# Altium PCB WIoT-Shield01.PcbDoc (part 1 of 2) (continued)
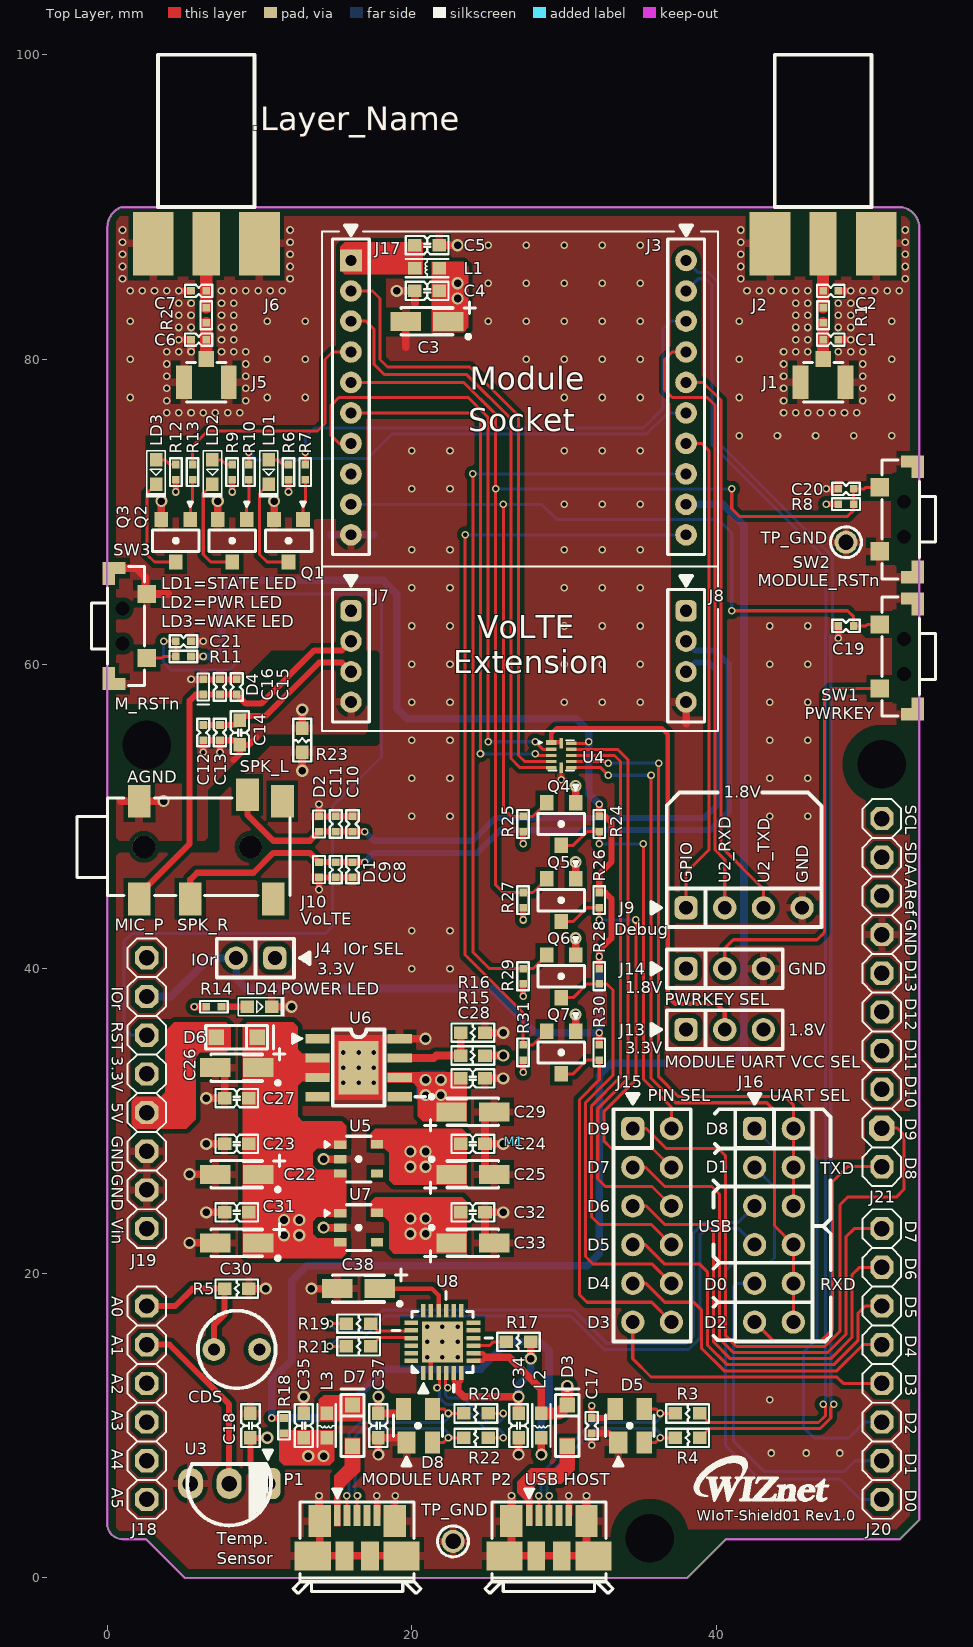
[diagram p0: Top Layer view]
## Footprints (in the part's own frame and the unit in brackets; to place one, negate y for a bottom-side part, rotate by r counter-clockwise, add the part's x,y. Pads: shape width x height; smd on the part's side, far side on the other; paste and mask are expansions set on the pad)
ARDUINOR3_ICSP(4) [mil]
  oct 60x60 hole 40: 3.3V(-1100,0) 5V(-1000,0) \RESET(-1200,0) A0(-500,0) A1(-400,0) A2(-300,0) A3(-200,0) A4(-100,0) A5(0,0) AREF(-1560,1900) D0(0,1900) D1(-100,1900) D2(-200,1900) D3(-300,1900) D4(-400,1900) D5(-500,1900) D6(-600,1900) D7(-700,1900) D8(-860,1900) D10(-1060,1900) D11(-1160,1900) D12(-1260,1900) D13(-1360,1900) GND1(-900,0) GND2(-800,0) GND4(-1460,1900) IOREF(-1300,0) RESERVED(-1400,0) SCL(-1760,1900) SDA(-1660,1900) VIN(-700,0)
  oct 66x66 hole 40: D9(-960,1900)
  rect 47.24x31.5 hole 125.98: ""(-1950,0) ""(-1900,1900) ""(100,1300)
  silkscreen extent -1810,-50 50,1950, body extent -1816,-51 57,1949, height 335
BNC-142-0711-821 [mil]
  rect 70x165 smd: 1(0,-94.49)
  rect 105x165 smd: 2(-137.5,-94.49) 3(137.5,-94.49)
  rect 105x165 smd far side: 2(-137.5,-94.49) 3(137.5,-94.49)
  Top Layer pour cut-out: -80,-9.49 80,-9.49 80,-179.49 -80,-179.49
  Bottom Layer pour cut-out: -80,-9.49 80,-9.49 80,-179.49 -80,-179.49
  silkscreen extent -125,0 125,394, body extent -187,-165 187,842, height 207
BNC-CMJ-S01-501 [mm]
  rect 2.2x1.05 smd: 1(0,1.475) 3(0,-1.475)
  rect 1.05x1 smd: 2(1.525,0)
  silkscreen extent -1.3,-1.3 1.3,1.3
CAP-0402 [mm]
  rect 0.5x0.5 smd: 1(-0.5,0) 2(0.5,0)
  silkscreen extent -0.9,-0.4 0.9,0.4, body extent -0.48,-0.25 0.52,0.25, height 0.6
CAP-0603 [mm] "Ceramic CAP 0603(1608)"
  rect 0.89x0.82 smd: 1(-0.8,0) 2(0.8,0)
  silkscreen extent -1.4,-0.6 1.4,0.6, body extent -0.93,-0.41 0.93,0.41, height 0.81
"CAP-A SIZE" [mm] "Tantal CAP A Size EIA/IECQ 3216"
  rect 2x1.25 smd: 1(-1.4,0) 2(1.4,0)
  silkscreen extent -3.17,-1.27 1.7,1.12, body extent -1.7,-0.8 1.7,0.8, height 1.75
GL55 [mm]
  round 1.5 hole 0.8: 1(-1.5,0) 2(1.5,0)
  silkscreen extent -2.55,-2.55 2.55,2.55
IDC-1X2 [mil]
  rrect50% 60x60 hole 36: 1(0,0)
  round 60 hole 36: 2(100,0)
  silkscreen extent -90,-50 150,50, body extent -49,-49 151,51, height 336
IDC-1X3 [mil]
  rrect50% 60x60 hole 36: 1(0,0)
  round 60 hole 36: 2(100,0) 3(200,0)
  silkscreen extent -90,-50 250,50, body extent -49,-49 251,51, height 336
IDC-1X4 [mil]
  rrect50% 60x60 hole 36: 1(0,0)
  round 60 hole 36: 2(100,0) 3(200,0) 4(300,0)
  silkscreen extent -90,-50 350,50, body extent -49,-49 351,51, height 336
IDC-1X4(2MM) [mil]
  rrect50% 55x55 hole 31.5: 1(0,0)
  round 55 hole 31.5: 2(78.74,0) 3(157.48,0) 4(236.22,0)
  silkscreen extent -90,-47 287,47, body extent -39,-39 276,39, height 217
IDC-2X6 [mil]
  rrect50% 60x60 hole 36: 1(0,0)
  round 60 hole 36: 2(0,100) 3(100,0) 4(100,100) 5(200,0) 6(200,100) 7(300,0) 8(300,100) 9(400,0) 10(400,100) 11(500,0) 12(500,100)
  silkscreen extent -90,-50 550,150, body extent -52,-48 548,152, height 336
IND-0603 [mm] "Inductor 0603(1608)"
  rect 0.89x0.82 smd: 1(-0.8,0) 2(0.8,0)
  Top Layer pour cut-out: -0.254,0.508 -0.254,-0.508 0.254,-0.508 0.254,0.508
  silkscreen extent -1.4,-0.6 1.4,0.6, body extent -0.8,-0.4 0.8,0.4, height 0.95
LED-0603-GREEN [mm] "LED-0603-GREEN"
  rect 0.89x0.82 smd: 1(-0.8,0) 2(0.8,0)
  silkscreen extent -1.41,-0.65 1.65,0.65, body extent -0.85,-0.45 0.85,0.45, height 0.9
LED-0603-RED [mm] "LED-0603-RED"
  rect 0.89x0.82 smd: 1(-0.8,0) 2(0.8,0)
  silkscreen extent -1.41,-0.65 1.65,0.65, body extent -0.85,-0.45 0.85,0.45, height 0.9
LOGO-WIZNET(2) [mm]
  silkscreen extent -2.33,0.05 14.15,5.55
LOGO-WIZNET(SMALL) [mm]
  silkscreen extent -1.27,0 7.52,2.93
NW3-A06 [mm]
  rect 0.1x0.1 hole 0.9 unplated: 0(-1.15,-1) 0(1.15,-1)
  rect 1.2x1.2 smd: 1(-2.1,-2.6) 2(2.1,-2.6)
  rect 0.8x1.5 smd: 3(-3.8,-0.45) 4(3.8,-0.45)
  rect 1.5x0.8 smd: 3(-3.45,-0.1) 4(3.45,-0.1)
  silkscreen extent -3.9,-2.45 3.9,1.05
PJ-3.5-3106 [mm]
  round 1.5 hole 1.5 unplated: 0(0,9.4) 0(0,2.4)
  rect 2.15x1.5 smd: 2(-3,2.1) 3(-3.42,9.2) 4(-3,11.5) 5(3.42,10.9) 6(3.42,5.45) 7(3.42,2.1)
  silkscreen extent -3.2,-2 3.2,12, body extent -4.15,-2 4.15,12, height 4.4
QFN24(0.5/4X4) [mm] "QFN-24 Package with 4x4mm Body and 0.5mm Pitch"
  rect 0.9x0.3 smd: 1(-2.05,1.25) 2(-2.05,0.75) 3(-2.05,0.25) 4(-2.05,-0.25) 5(-2.05,-0.75) 6(-2.05,-1.25) 13(2.05,-1.25) 14(2.05,-0.75) 15(2.05,-0.25) 16(2.05,0.25) 17(2.05,0.75) 18(2.05,1.25)
  rect 0.3x0.9 smd: 7(-1.25,-2.05) 8(-0.75,-2.05) 9(-0.25,-2.05) 10(0.25,-2.05) 11(0.75,-2.05) 12(1.25,-2.05) 19(1.25,2.05) 20(0.75,2.05) 21(0.25,2.05) 22(-0.25,2.05) 23(-0.75,2.05) 24(-1.25,2.05)
  rect 2.7x2.7 smd: 25(0,0)
  silkscreen extent -3.35,-3.3 3.3,3.3, body extent -2,-2 2,2, height 0.9
RES-0402 [mm]
  rect 0.5x0.5 smd: 1(-0.5,0) 2(0.5,0)
  silkscreen extent -0.91,-0.38 0.91,0.38, body extent -0.5,-0.25 0.5,0.25, height 0.35
RES-0603 [mm] "RES-0603"
  rect 0.89x0.82 smd: 1(-0.8,0) 2(0.8,0)
  silkscreen extent -1.4,-0.6 1.4,0.6, body extent -0.82,-0.41 0.82,0.41, height 0.46
SO-08-EP [mm]
  rect 1.6x0.6 smd: 1(-2.7,1.905) 2(-2.7,0.635) 3(-2.7,-0.635) 4(-2.7,-1.905) 5(2.7,-1.905) 6(2.7,-0.635) 7(2.7,0.635) 8(2.7,1.905)
  rect 2.62x3.51 smd: 9(0,0)
  silkscreen extent -4.34,-2.5 4.38,2.5, body extent -3.01,-2.5 3.01,2.5, height 1.75
SOD-323(1-C,2-A) [mm]
  rect 1x1 smd: 1(1.35,0) 2(-1.35,0)
  silkscreen extent -2.03,-0.76 2.4,0.76, body extent -1.35,-0.68 1.35,0.67, height 0.79
SOD-882(TVS) [mm]
  rect 0.5x0.5 smd: 1(-0.5,0) 2(0.5,0)
  silkscreen extent -0.89,-0.4 0.89,0.4, body extent -0.51,-0.31 0.51,0.31, height 0.49
SOD-923(1-C,2-A) [mm]
  rect 0.5x0.5 smd: 1(0.5,0.001) 2(-0.5,0.001)
  silkscreen extent -0.89,-0.38 1.14,0.38, body extent -0.52,-0.32 0.53,0.33, height 0.43
SOT-23-3L [mm]
  rect 0.9x1 smd: 1(-0.95,-1.4) 2(0.95,-1.4) 3(0,1.4)
  silkscreen extent -1.53,-2.55 1.53,0.7, body extent -1.45,-1.4 1.45,1.4, height 1.28
SOT-23-3LL [mm]
  rect 0.9x1 smd: 1(-0.95,-1.4) 2(0,1.4) 3(0.95,-1.4)
  silkscreen extent -1.53,-2.55 1.53,0.7, body extent -1.45,-1.4 1.45,1.4, height 1.28
SOT-25 [mm]
  rect 0.55x0.8 smd: 1(-0.95,-1.2) 2(0,-1.2) 3(0.95,-1.2) 4(0.95,1.2) 5(-0.98,1.2)
  silkscreen extent -1.5,-2.2 1.5,0.8, body extent -1.45,-1.4 1.45,1.4, height 1.45
SOT-143 [mm]
  rect 1.2x1.44 smd: 1(-0.75,-1.1)
  rect 1x1.44 smd: 2(0.95,-1.1) 3(0.95,1.1) 4(-0.95,1.1)
  silkscreen extent -1.6,-2.65 1.6,0.7, body extent -1.46,-1.21 1.46,1.21, height 1
TO-92 [mil]
  rrect50% 65x80 hole 40: 1(-100,0)
  oval 65x80 hole 40: 2(0,0) 3(100,0)
  silkscreen extent -112,-86 108,108, body extent -104,-60 115,94, height 315
TP [mil]
  round 60 hole 40: 1(0,0)
  silkscreen extent -40,-40 40,40, body extent -50,-52 50,52, height 62
UQFN12(0.4/1.7X2) [mm]
  rect 0.69x0.32 smd: 1(-0.655,0.855)
  rect 0.69x0.22 smd: 2(-0.655,0.4) 3(-0.655,0) 4(-0.655,-0.4) 5(-0.655,-0.8) 7(0.655,-0.8) 8(0.655,-0.4) 9(0.655,0) 10(0.655,0.4) 11(0.655,0.8)
  rect 0.22x0.69 smd: 6(0,-0.805) 12(0,0.805)
  silkscreen extent -1.47,-1 0.85,1, body extent -0.85,-1 0.85,1, height 0.75
USB-MOLEX-47346 [mm]
  rect 1.38x0.45 smd: 1(4.11,1.3) 2(4.11,0.65) 3(4.11,0) 4(4.11,-0.65) 5(4.11,-1.3)
  rect 1.9x2.375 smd: 6(1.45,2.913) 7(1.45,-2.913)
  rect 1.9x1.175 smd: 8(1.45,0.837) 9(1.45,-0.837)
  rect 2.1x1.475 smd: 10(3.75,-2.462) 11(3.75,2.462)
  silkscreen extent -1,-4.2 5.85,4.2, body extent -0.88,-4.4 4.72,4.4, height 2.74
XBEE(1) [mil]
  rect 56x56 hole 28: 1(0,0)
  round 56 hole 28: 2(0,-79) 3(0,-157) 4(0,-236.68) 5(0,-315.43) 6(0,-394.17) 7(0,-472.91) 8(0,-551.65) 9(0,-630.39) 10(0,-709.13) 11(866.14,0) 12(866.14,-79) 13(866.14,-157) 14(866.14,-236.68) 15(866.14,-315.43) 16(866.14,-394.17) 17(866.14,-472.91) 18(866.14,-551.65) 19(866.14,-630.39) 20(866.14,-709.13)
  silkscreen extent -47,-760 913,90, body extent -51,-756 916,52, height 157

## Part data
C1 C2 C6 C7 C8 C9 C10 C11 C12 C13 C15 C16 C19 C20 C21: library part CAP-0402, "Ceramic CAP 0402(1005)"
C3: library part CAP, "Electrolytic Capacitors"
C4 C5 C14 C18 C23 C24 C27 C28 C31 C32 C34 C35 C37: library part CAP-0603, "Ceramic CAP 0603(1608)"
C17: library part CAP-0805, "Ceramic CAP 0402"
C22 C25 C26 C29 C30 C33: library part "CAP-A Size", "Tantal CAP A Size EIA/IECQ 3216"
C38: library part "CAP-A Size", "Tantla CAP A Size EIA/IECQ 3216"
CDS: library part CDS
D1 D2: library part PESD5V0S1BL, "Bi-directional TVS diode"
D3 D6 D7: library part DIODE-BAT60A, "Silicon Schottky Diode"
D4: "Uni-directional TVS diode"
D5 D8: "Ultra low capacitance double rail-to-rail ESD protection diode"
J1 J5: library part "U.FL CONNECTOR", "U.FL CONNECTOR"
J3: library part Xbee_pin-header, "Xbee_pin-header, WizFi310, LoRa, LTE CAT M1"
J10: "3-Conductor Jack with 2 break contacts (normals) and 2 auxiliary make contacts"
L1 L2 L3: library part IND-0603, "Inductor 0603(1608)"
LD1 LD2 LD3 LD4: library part LED-0603, "LED-0603"
M1: "Arduino UNO R3"
P1 P2: "MICRO USB B Type"
Q1 Q2 Q3: "NPN General-Purpose Amplifier"
Q4 Q5 Q6 Q7: "N-Channel 60-V (D-S) MOSFET"
R1 R2 R6 R7 R8 R9 R10 R11 R12 R13 R14 R18 R24 R25 R26 R27 R28 R29 R30 R31: library part RES-0402, "RES-0402"
R3 R4 R5 R15 R16 R23: library part RES-0603, "RES0603"
R17 R19 R20 R21 R22: library part RES-0603, "RES-0603"
SW1 SW2 SW3: library part SWITCH-ANGLE_TACT, "Angle TACT SW, SMD"
TP_GND TP_GND: "TEST POINT"
U4: "Level-Shifter"
U5: "3.3V 600mA Regulator/SOT25(Fixed Output)"
U7: library part AP7365-33WG-7, "3.3V 600mA Regulator/SOT25(Fixed Output)"
U8: "USB to UART Bridge, SiliconLabs"

## Via types
v1: diameter 0.5, hole 0.3, Top Layer to Bottom Layer, tented both sides, 306 vias
v2: diameter 0.8, hole 0.5, Top Layer to Bottom Layer, tented both sides, 57 vias

## Nets (pads, with @x,y where several pads share a name; then routed paths per layer and width w, separated by ;. In a path a pad name is that pad's centre, name@x,y a point inside that pad or via, vN(x,y) a via of type N, cw(c..) or ccw(c..) an arc to the next point about the centre after c; other vN are vias at no path point)
1.8V: C32.2 C33.1 J8.1 J13.3 J14.1 Q4.1 Q5.1 Q6.1 Q7.1 R8.2 R25.2 R27.2 R29.2 R31.2 U7.5 | length 8.4
  Top Layer w0.4: v1(27.3,33.2) R31.2@27.3,34 ; v1(27.3,38.2) R29.2@27.3,39 ; v1(27.3,43.2) R27.2@27.3,44 ; v1(27.3,48.2) R25.2@27.3,49 ; v1(47.2,70.5) R8.2@48,70.5
  Top Layer w0.5: Q7.1@30.75,35.9 v2(30.75,37) ; Q6.1@30.75,40.9 v2(30.75,42) ; Q5.1@30.75,45.9 v2(30.75,47) ; Q4.1@30.75,50.9 v2(30.75,52)
  other v2: 19.9,22.6 20.9,22.6 19.9,23.6 20.9,23.6
3.3V: C24.2 C25.1 J4.1 J7.1 J13.1 M1.3.3V R6.2 R9.2 R12.2 R14.1 U5.5 | length 3.2
  Top Layer w0.4: v1(4.5,71.3) R12.2@4.5,72.1 ; v1(8.2,71.3) R9.2@8.2,72.1 ; v1(11.9,71.3) R6.2@11.9,72.1
  Top Layer w0.508: v1(5.7,37.5) R14.1@6.5,37.5
  other v2: 19.9,27 20.9,27 19.9,28 20.9,28
3.8V: C3.1 C4.1 C28.2 C29.1 L1.1 R15.2 U6.6 | length 1.2
  Top Layer w0.5: R15.2@24.8,34.3 v2(26,34.3)
  other v2: 20.9,31.7 21.9,31.7 20.9,32.7 21.9,32.7 23,84 23,85
3.8V_OUT: C5.1 J3.1 L1.2
5V: C17.1 C18.2 C22.1 C23.2 C26.1 C27.2 C30.1 C31.2 C35.2 C37.2 CDS.1 D3.1 D5.4 D6.1 D8.4 L2.1 L3.2 R18.1 U3.1 U5.1 U5.3 U6.2 U6.3 U7.1 U7.3 U8.7 U8.8 | length 21.2
  Top Layer w0.3: U8.7@24.05,14.25 24.65,14.25 24.9,14.5 24.65,14.75 U8.8@24.05,14.75
  Top Layer w0.4: v2(10.5,9.2) C18.2@9.4,9.2 9.4,7.34 U3.1@10.54,6.2 ; v1(31.8,11.3) C17.1@31.8,10.5 32.75,10.5 D5.4@33.35,11.1
  Top Layer w0.5: v2(17.8,11.9) C37.2@17.8,10.8 19.15,10.8 D8.4@19.45,11.1 ; 24.9,14.5 26.4,14.5 28.5,12.4 L2.1@28.5,10.8
  Top Layer w0.8: L2.1@28.5,10.8 29.65,10.8 D3.1@30.2,11.35 v2(30.2,12.6)
  other v2: 13.2,8 14.2,8 11.6,22.5 12.6,22.5 11.6,23.5 12.6,23.5
AGND: C12.1 C13.1 C14.1 J7.4 J10.2 R23.2 | length 10.6
  Top Layer w0.4: v1(6.3,54.2) C12.1@6.3,55 C13.1@7.4,55 ; v1(7.4,54.2) C13.1@7.4,55 ; 8.3,53.7 8.7,54.1 C14.1@8.7,54.7 ; 9.8,55.2 9.3,54.7 C14.1@8.7,54.7 ; C13.1@7.4,55 8.4,55 C14.1@8.7,54.7
  Top Layer w0.5: 0.9,51 J10.2@2.1,51 v2(3.7,51) ; R23.2@12.8,55.8 v2(12.8,57)
AP_READY: J3.20 Q7.2 R31.1 | length 51.5
  Top Layer w0.2: v1(23.5,68.488) 23.5,40.9 27.3,37.1 R31.1@27.3,35 27.95,35 Q7.2@28.85,35.9
  Bottom Layer w0.2: v1(23.5,68.488) J3.20@38,68.488
D_N: D8.3 P1.2 R20.1 | length 14.9
  Top Layer w0.2: v1(15.725,5.4) 15.75,5.375 P1.2@15.75,4.11 ; D8.3@21.35,11.1 22.1,11.1 v1(22.4,10.8) R20.1@23.4,10.8
  Bottom Layer w0.2: v1(15.725,5.4) 15.875,5.55 15.875,9.475 16.6,10.2 22.1,10.2 22.4,10.5 v1(22.4,10.8)
D_P: D8.2 P1.3 R22.1 | length 14.2
  Top Layer w0.2: P1.3@16.4,4.11 16.4,5.375 v1(16.425,5.4) ; D8.2@21.35,8.9 22.1,8.9 v1(22.4,9.2) R22.1@23.4,9.2
  Bottom Layer w0.2: v1(16.425,5.4) 16.275,5.55 16.275,9.309 16.766,9.8 22.1,9.8 22.4,9.5 v1(22.4,9.2)
GND: C1.1 C2.1 C3.2 C4.2 C5.2 C6.1 C7.1 C8.1 C9.1 C10.1 C11.1 C15.1 C16.1 C17.2 C18.1 C19.1 C20.1 C21.1 C22.2 C23.1 C24.1 C25.2 C26.2 C27.1 C28.1 C29.2 C30.2 C31.1 C32.1 C33.2 C34.1 C35.1 C37.1 C38.2 D1.2 D2.2 D4.2 D5.1 D8.1 J1.1 J1.3 J2.2 J2.3 J3.10 J5.1 J5.3 J6.2 J6.3 J8.4 J9.4 J14.3 LD4.2 M1.GND1 M1.GND2 M1.GND4 P1.5 P1.6 P1.7 P1.8 P1.9 P1.10 P1.11 P2.5 P2.6 P2.7 P2.8 P2.9 P2.10 P2.11 Q1.3 Q2.3 Q3.3 R5.1 R16.1 R23.1 SW1.3 SW1.4 SW2.2 SW2.3 SW2.4 SW3.2 SW3.3 SW3.4 TP_GND.1 U3.3 U4.6 U5.2 U6.8 U6.9 U7.2 U8.2 U8.25 | length 108.2
  Top Layer w0.2: v1(29.8,52.4) U4.6@29.8,53.195
  Top Layer w0.3: P1.5@17.7,4.11 v1(17.7,5.4) ; P1.10@18.862,3.75 18.9,3.788 v1(18.9,5.4) ; U8.2@21.25,13.45 21.25,14.75 v1(22,15.5) ; P2.5@30.3,4.11 v1(30.3,5.4)
  Top Layer w0.4: v1(4.7,81.3) C6.1@5.5,81.3 ; v1(4.7,84.5) C7.1@5.5,84.5 ; v1(5.5,59) D4.2@6.301,59 C16.1@7.4,59 C15.1@8.5,59 ; C21.1@5.5,61.5 v1(6.3,61.5) ; v1(13.9,45.2) D1.2@13.9,46 C9.1@15,46 C8.1@16.1,46 ; v1(13.9,50.8) D2.2@13.9,50 C10.1@16.1,50 ; v1(31.8,8.7) C17.2@31.8,9.5 32.95,9.5 D5.1@33.55,8.9 ; v1(47.2,71.5) C20.1@48,71.5 ; v1(48,61.7) C19.1@48,62.5 ; C1.1@48,81.3 v1(48.8,81.3) ; C2.1@48,84.5 v1(48.8,84.5)
  Top Layer w0.5: SW3.4@0.45,66.3 1.9,66.3 2.5,65.7 2.5,64.6 SW3.2@2.6,64.6 4,64.6 ; Q3.3@3.55,69.5 v2(3.55,70.7) ; v2(5.4,22) C30.2@7.1,22 ; v2(5.4,26.5) C22.2@7.1,26.5 ; v1(5.5,80.5) C6.1@5.5,81.3 ; v2(6.5,24) C31.1@7.7,24 ; v2(6.5,28.5) C23.1@7.7,28.5 ; v2(6.5,31.5) C27.1@7.7,31.5 7.7,33.5 C26.2@7.1,33.5 ; Q2.3@7.25,69.5 v2(7.25,70.7) ; R5.1@9.3,19 v2(10.4,19) ; LD4.2@10.8,37.5 v2(12.1,37.5) ; Q1.3@10.95,69.5 v2(10.95,70.7) ; v2(12.8,53) R23.1@12.8,54.2 ; C35.1@12.9,10.8 v2(12.9,11.9) ; v2(13.4,19) C38.2@15.1,19 ; v1(13.9,5.4) 13.9,3.988 13.938,3.95 P1.11@13.938,3.75 13.938,1.9 P1.6@13.487,1.45 P1.8@15.563,1.45 P1.9@17.237,1.45 P1.7@19.163,1.45 ; v2(14.2,23) U7.2@15.3,23 ; v2(14.2,27.5) U5.2@15.3,27.5 ; v1(16.5,33.5) v1(17.5,34.5) 17.5,34.9 18.005,35.405 U6.8@19.2,35.405 v2(20.895,35.405) ; v2(17.8,8.1) C37.1@17.8,9.2 19.35,9.2 D8.1@19.65,8.9 ; C3.2@19,82.5 C3.2@19.6,82.5 19.6,80.8 ; v2(19,84.5) C4.2@20.2,84.5 20.2,83.7 ; C5.2@21.8,87.5 v2(23,87.5) ; C28.1@24.8,32.8 v2(26,32.8) ; R16.1@24.8,35.8 v2(26,35.8) ; C33.2@25.4,22 24.8,22 C32.1@24.8,24 v2(26,24) ; C25.2@25.4,26.5 24.8,26.5 C24.1@24.8,28.5 ; C29.2@25.4,30.6 24.8,30.6 C24.1@24.8,28.5 ; v2(26,28.5) C24.1@24.8,28.5 ; v1(26.538,5.4) P2.11@26.538,3.75 26.538,1.9 P2.6@26.087,1.45 P2.8@28.163,1.45 P2.9@29.837,1.45 P2.7@31.913,1.45 31.462,1.9 P2.10@31.462,3.75 v1(31.462,5.4) ; v2(27,8.1) C34.1@27,9.2 ; 38,56.1 J8.4@38,57.5
  Bottom Layer w0.5: 14.688,68.488 J3.10@16,68.488 17.488,68.488
  other v1: 43.6,8.2 45.9,8.2 48.1,8.2 43.5,11.7 21,14.5 22,14.5 23,14.5 21,15.5 23,15.5 21,16.5 22,16.5 23,16.5 15.5,32.5 16.5,32.5 17.5,32.5 15.5,33.5 17.5,33.5 15.5,34.5 16.5,34.5 20,40 22.5,40 20,42.5 22.5,42.5 20,50 22.5,50 43.5,50 46,50 20,52.5 22.5,52.5 43.5,52.5 46,52.5 20,55 22.5,55 43.5,55 46,55 20,57.5 22.5,57.5 30,57.5 32.5,57.5 35,57.5 43.5,57.5 46,57.5 20,60 22.5,60 30,60 32.5,60 35,60 43.5,60 46,60 20,62.5 22.5,62.5 30,62.5 32.5,62.5 35,62.5 43.5,62.5 46,62.5 20,65 22.5,65 30,65 32.5,65 35,65 20,67.5 22.5,67.5 30,67.5 32.5,67.5 35,67.5 30,70.5 32.5,70.5 35,70.5 20,71.5 22.5,71.5 20,74 22.5,74 30,74 32.5,74 35,74 41.5,75 44,75 46.5,75 49,75 51.5,75 3.9,76.5 4.7,76.5 5.5,76.5 6.3,76.5 7.1,76.5 7.9,76.5 8.7,76.5 44.4,76.5 45.2,76.5 46,76.5 46.8,76.5 47.6,76.5 48.4,76.5 49.2,76.5 3.9,77.3 9.1,77.3 44.4,77.3 49.6,77.3 1.5,77.5 10.5,77.5 13,77.5 30,77.5 32.5,77.5 35,77.5 41.5,77.5 51.5,77.5 3.9,78.1 9.1,78.1 44.4,78.1 49.6,78.1 3.9,78.9 9.1,78.9 44.4,78.9 49.6,78.9 3.9,79.7 9.1,79.7 44.4,79.7 49.6,79.7 1.5,80 10.5,80 13,80 27.5,80 30,80 32.5,80 35,80 41.5,80 51.5,80 3.9,80.5 4.7,80.5 7.5,80.5 8.3,80.5 9.1,80.5 44.4,80.5 45.2,80.5 46,80.5 48,80.5 48.8,80.5 49.6,80.5 7.5,81.3 8.3,81.3 45.2,81.3 46,81.3 4.7,82.1 5.5,82.1 7.5,82.1 8.3,82.1 45.2,82.1 46,82.1 48,82.1 48.8,82.1 1.5,82.5 10.5,82.5 13,82.5 25,82.5 27.5,82.5 30,82.5 32.5,82.5 35,82.5 41.5,82.5 51.5,82.5 4.7,82.9 5.5,82.9 7.5,82.9 8.3,82.9 45.2,82.9 46,82.9 48,82.9 48.8,82.9 4.7,83.7 5.5,83.7 7.5,83.7 8.3,83.7 45.2,83.7 46,83.7 48,83.7 48.8,83.7 1.5,84.5 2.3,84.5 3.1,84.5 3.9,84.5 7.5,84.5 8.3,84.5 9.1,84.5 9.9,84.5 10.7,84.5 11.5,84.5 42,84.5 42.8,84.5 43.6,84.5 44.4,84.5 45.2,84.5 46,84.5 49.6,84.5 50.4,84.5 51.2,84.5 52,84.5 25,85 27.5,85 30,85 32.5,85 35,85 1,85.3 12,85.3 41.6,85.3 52.4,85.3 1,86.1 12,86.1 41.6,86.1 52.4,86.1 1,86.9 12,86.9 41.6,86.9 52.4,86.9 25,87.5 27.5,87.5 30,87.5 32.5,87.5 35,87.5 1,87.7 12,87.7 41.6,87.7 52.4,87.7 1,88.5 12,88.5 41.6,88.5 52.4,88.5
GPIO26: J3.17 J9.1 | length 32.3
  Top Layer w0.2: J9.1@38,44 38,46.3 39.5,47.8 39.5,74 39.012,74.488 J3.17@38,74.488
IN_USB_D+: D5.2 P2.3 R4.2 | length 14
  Top Layer w0.2: P2.3@29,4.11 29,5.375 v1(29.025,5.4) ; D5.2@35.25,8.9 36,8.9 v1(36.3,9.2) R4.2@37.3,9.2
  Bottom Layer w0.2: v1(29.025,5.4) 28.875,5.55 28.875,6.675 32,9.8 36,9.8 36.3,9.5 v1(36.3,9.2)
IN_USB_D-: D5.3 P2.2 R3.2 | length 14.6
  Top Layer w0.2: v1(28.325,5.4) 28.35,5.375 P2.2@28.35,4.11 ; D5.3@35.25,11.1 36,11.1 v1(36.3,10.8) R3.2@37.3,10.8
  Bottom Layer w0.2: v1(28.325,5.4) 28.475,5.55 28.475,6.841 31.834,10.2 36,10.2 36.3,10.5 v1(36.3,10.8)
IOREF: J4.2 M1.IOREF R11.2 R24.2 R26.2 R28.2 R30.2 U4.11 | length 97
  Top Layer w0.2: U4.11@30.455,54.8 31.5,54.8 v1(31.6,54.9)
  Top Layer w0.4: R11.2@5.5,60.5 v1(6.3,60.5) ; R30.2@32.3,35 v1(32.3,35.8) ; R28.2@32.3,40 v1(32.3,40.8) 32.3,41.2 33.1,42 33.1,44.6 32.7,45 R26.2@32.3,45 32.3,46.2 33.1,47 33.1,49.6 32.7,50 R24.2@32.3,50 v1(32.3,50.8)
  Bottom Layer w0.5: M1.IOREF@2.595,38.175 4.175,38.175 6.7,40.7 J4.2@8.46,40.7 8.46,39.34 9.1,38.7 25.2,38.7 28.1,35.8 v1(32.3,35.8) v1(32.3,40.8) ; v1(6.3,60.5) 7,60.5 7.5,61 7.5,64.6 8.4,65.5 18.1,65.5 19,64.6 19,57.1 19.7,56.4 30.8,56.4 31.6,55.6 v1(31.6,54.9) 31.6,51.5 v1(32.3,50.8)
LED_IND1: J3.13 R7.1 | length 33
  Top Layer w0.2: R7.1@13,73.1 v1(13,73.9)
  Bottom Layer w0.2: v1(13,73.9) 13,74.9 13.6,75.5 35.2,75.5 36.5,76.8 36.5,82 37.012,82.512 J3.13@38,82.512
LED_IND2: J3.16 R10.1 | length 31
  Top Layer w0.2: R10.1@9.3,73.1 v1(9.3,73.9)
  Bottom Layer w0.2: v1(9.3,73.9) 9.8,73.4 13.207,73.4 13.307,73.5 17.1,73.5 18.7,75.1 35.4,75.1 36.788,76.488 J3.16@38,76.488
LED_IND3: J3.4 R13.1 | length 16.6
  Top Layer w0.2: R13.1@5.6,73.1 5.6,74.3 6.6,75.3 13.8,75.3 14.3,75.8 14.3,80 14.788,80.488 J3.4@16,80.488
M_5V_IN: D6.2 M1.5V
M_RESETN: C21.2 M1.\RESET R11.1 SW3.1 | length 68.4
  Top Layer w0.2: SW3.1@2.6,60.4 3.6,60.4 3.7,60.5 R11.1@4.5,60.5 C21.2@4.5,61.5 v1(3.7,61.5)
  Bottom Layer w0.2: M1.\RESET@2.595,35.635 1.565,35.635 1.1,36.1 1.1,41.8 1.6,42.3 14.3,42.3 14.8,42.8 14.8,50.7 18,53.9 18,64.1 17.5,64.6 9,64.6 8.5,64.1 8.5,60.1 8,59.6 4.2,59.6 3.7,60.1 v1(3.7,61.5)
MIC_N: C12.2 C13.2 C14.2 J7.3 | length 11.6
  Top Layer w0.4: C12.2@6.3,56 C13.2@7.4,56 8.4,56 C14.2@8.7,56.3 9,56.6 10.4,56.6 13.9,60.1 15.4,60.1 J7.3@16,59.5
MIC_P: C15.2 C16.2 D4.1 J7.2 J10.7 | length 27.1
  Top Layer w0.4: J10.7@2.1,44.58 2.1,44.9 5.4,48.2 5.4,57.6 5.8,58 D4.1@6.301,58 C16.2@7.4,58 C15.2@8.5,58 9.1,57.4 10.1,57.4 13.6,60.9 15.4,60.9 J7.2@16,61.5
NetC1_2: C1.2 J1.2 R1.1 | length 2.4
  Top Layer w0.8: J1.2@47,80.025 C1.2@47,81.3 R1.1@47,82.4
NetC2_2: C2.2 J2.1 R1.2 | length 4.2
  Top Layer w0.8: R1.2@47,83.4 C2.2@47,84.5 J2.1@47,87.6
NetC6_2: C6.2 J5.2 R2.1 | length 2.4
  Top Layer w0.8: J5.2@6.5,80.025 C6.2@6.5,81.3 R2.1@6.5,82.4
NetC7_2: C7.2 J6.1 R2.2 | length 4.2
  Top Layer w0.8: R2.2@6.5,83.4 C7.2@6.5,84.5 J6.1@6.5,87.6
NetC38_1: C38.1 U8.16 | length 5
  Top Layer w0.3: C38.1@17.9,19 21.3,19 21.75,18.55 U8.16@21.75,17.55
NetCDS1_2: CDS.2 M1.A0 R5.2 | length 9.9
  Top Layer w0.4: M1.A0@2.595,17.855 4.455,17.855 5.6,19 R5.2@7.7,19 7.7,17.3 7,16.6 CDS.2@7,15
NetD3_2: D3.2 P2.1
NetD7_1: D7.1 L3.1
NetD7_2: D7.2 P1.1
NetJ14_2: J14.2 SW1.2 | length 27.8
  Top Layer w0.2: J14.2@40.54,40 40.54,41.34 41.1,41.9 46.6,41.9 47.1,42.4 47.1,58 47.5,58.4 SW1.2@50.715,58.4 SW1.2@50.815,58.4
NetJ15_1: J15.1 M1.D9 | length 45
  Top Layer w0.2: J15.1@34.5,29.5 35.4,29.5 36.7,28.2 40.1,28.2 40.6,27.7 40.6,15.9 41.3,15.2 47.1,15.2 48.1,16.2 48.1,24.5 48.6,25 51.8,25 52.3,25.5 52.3,29.1 51.861,29.539 M1.D9@50.855,29.539
NetJ15_2: J15.2 Q4.3 R24.1 | length 25.6
  Top Layer w0.2: Q4.3@29.8,48.1 30.6,48.1 31.5,49 R24.1@32.3,49 v1(32.3,48.2) ; v1(35.2,48.2) 35.2,32.74 37.04,30.9 J15.2@37.04,29.95
  Bottom Layer w0.2: v1(32.3,48.2) v1(35.2,48.2)
NetJ15_3: J15.3 M1.D7 | length 34.1
  Top Layer w0.2: J15.3@34.5,26.96 35.34,26.96 36.6,25.7 39.7,25.7 40.2,25.2 40.2,15.7 41.1,14.8 47.3,14.8 48.5,16 48.5,22.4 49.035,22.935 M1.D7@50.855,22.935
NetJ15_4: J15.4 Q5.3 R26.1 | length 26.6
  Top Layer w0.2: Q5.3@29.8,43.1 30.6,43.1 31.5,44 R26.1@32.3,44 v1(32.3,43.2) ; v1(34.7,43.2) 34.7,32.7 32.6,30.6 32.6,28.7 33.1,28.2 35.8,28.2 J15.4@37.04,26.96
  Bottom Layer w0.2: v1(32.3,43.2) v1(34.7,43.2)
NetJ15_5: J15.5 M1.D6 | length 29.6
  Top Layer w0.2: J15.5@34.5,24.42 35.38,24.42 36.6,23.2 39.3,23.2 39.8,22.7 39.8,15.5 40.9,14.4 47.5,14.4 48.9,15.8 48.9,19.9 49.395,20.395 M1.D6@50.855,20.395
NetJ15_6: J15.6 U4.10 | length 37.9
  Top Layer w0.2: U4.10@30.455,54.4 33.5,54.4 34.2,53.7 34.2,32.8 32.2,30.8 32.2,26.2 32.7,25.7 35.76,25.7 J15.6@37.04,24.42
NetJ15_7: J15.7 M1.D5 | length 25.1
  Top Layer w0.2: J15.7@34.5,21.88 35.32,21.88 36.6,20.6 38.9,20.6 39.4,20.1 39.4,15.3 40.7,14 47.7,14 49.3,15.6 49.3,17.4 49.755,17.855 M1.D5@50.855,17.855
NetJ15_8: J15.8 U4.9 | length 40.1
  Top Layer w0.2: U4.9@30.455,54 33.3,54 33.7,53.6 33.7,32.9 31.8,31 31.8,23.7 32.3,23.2 35.72,23.2 J15.8@37.04,21.88
NetJ15_9: J15.9 M1.D4 | length 20.9
  Top Layer w0.2: J15.9@34.5,19.34 35.36,19.34 36.6,18.1 38.5,18.1 39,17.6 39,15.1 40.5,13.6 47.9,13.6 49.615,15.315 M1.D4@50.855,15.315
NetJ15_10: J15.10 Q6.3 R28.1 | length 28.6
  Top Layer w0.2: Q6.3@29.8,38.1 30.6,38.1 31.5,39 R28.1@32.3,39 32.8,39 33.2,38.6 33.2,33 31.4,31.2 31.4,21.1 31.9,20.6 35.78,20.6 J15.10@37.04,19.34
NetJ15_11: J15.11 M1.D3 | length 19.4
  Top Layer w0.2: J15.11@34.5,16.8 34.5,14.4 35.7,13.2 47.9,13.2 48.325,12.775 M1.D3@50.855,12.775
NetJ15_12: J15.12 Q7.3 R30.1 | length 25.6
  Top Layer w0.2: Q7.3@29.8,33.1 30.6,33.1 31.5,34 R30.1@32.3,34 32.3,32.7 31,31.4 31,18.6 31.5,18.1 35.74,18.1 J15.12@37.04,16.8
NetJ16_1: J16.1 M1.D2 | length 28.8
  Bottom Layer w0.2: J16.1@42.5,29.5 43.8,28.2 46,28.2 46.6,27.6 46.6,15.7 45.7,14.8 45.7,9.9 46.4,9.2 48.7,9.2 49.735,10.235 M1.D2@50.855,10.235
NetJ16_2: J16.2 J16.4 J16.6 U4.8 | length 42.6
  Top Layer w0.2: U4.8@30.455,53.6 32.8,53.6 v1(32.9,53.5) ; v1(36.2,53.5) 36.2,32.9 37.5,31.6 44.5,31.6 45.04,31.06 J16.2@45.04,29.5 J16.4@45.04,26.96 J16.6@45.04,24.42
  Bottom Layer w0.2: v1(32.9,53.5) v1(36.2,53.5)
NetJ16_3: J16.3 M1.D0 | length 33.3
  Bottom Layer w0.2: J16.3@42.5,26.96 43.8,25.66 43.8,21 43.5,20.7 41.1,20.7 40.6,20.2 40.6,8.7 42.8,6.5 48.1,6.5 49.445,5.155 M1.D0@50.855,5.155
NetJ16_8: J16.8 J16.10 J16.12 U4.7 | length 48.7
  Top Layer w0.2: U4.7@30.455,53.2 32.4,53.2 v1(32.9,52.7) ; v1(35.7,52.7) 35.7,32.8 37.3,31.2 43.3,31.2 43.8,30.7 43.8,23.12 J16.8@45.04,21.88 J16.10@45.04,19.34 J16.12@45.04,16.8
  Bottom Layer w0.2: v1(32.9,52.7) v1(35.7,52.7)
NetJ16_9: J16.9 M1.D1 | length 22.5
  Bottom Layer w0.2: J16.9@42.5,19.34 41.34,19.34 41.1,19.1 41.1,9 43.1,7 48.4,7 49.095,7.695 M1.D1@50.855,7.695
NetJ16_11: J16.11 M1.D8 | length 19.3
  Top Layer w0.2: J16.11@42.5,16.8 43.7,15.6 46.9,15.6 47.6,16.3 47.6,26 48.6,27 50.854,27 M1.D8@50.855,26.999
NetLD1_1: LD1.1 R6.1 | length 1.4
  Top Layer w0.2: LD1.1@10.6,73.4 11.2,73.4 11.5,73.1 R6.1@11.9,73.1
NetLD1_2: LD1.2 Q1.2 | length 7
  Top Layer w0.2: LD1.2@10.6,71.8 10,71.2 10,67.2 10.5,66.7 Q1.2@11.9,66.7
NetLD2_1: LD2.1 R9.1 | length 1.4
  Top Layer w0.2: LD2.1@6.9,73.4 7.5,73.4 7.8,73.1 R9.1@8.2,73.1
NetLD2_2: LD2.2 Q2.2 | length 7
  Top Layer w0.2: LD2.2@6.9,71.8 6.3,71.2 6.3,67.2 6.8,66.7 Q2.2@8.2,66.7
NetLD3_1: LD3.1 R12.1 | length 1.4
  Top Layer w0.2: LD3.1@3.2,73.4 3.8,73.4 4.1,73.1 R12.1@4.5,73.1
NetLD3_2: LD3.2 Q3.2 | length 7
  Top Layer w0.2: LD3.2@3.2,71.8 2.6,71.2 2.6,67.2 3.1,66.7 Q3.2@4.5,66.7
NetLD4_1: LD4.1 R14.2 | length 1.7
  Top Layer w0.4: R14.2@7.5,37.5 LD4.1@9.2,37.5
NetM1_A1: M1.A1 U3.2 | length 12.4
  Top Layer w0.4: M1.A1@2.595,15.315 4.085,15.315 8,11.4 U3.2@8,6